# KiCad board unibone.kicad_pcb (continued)
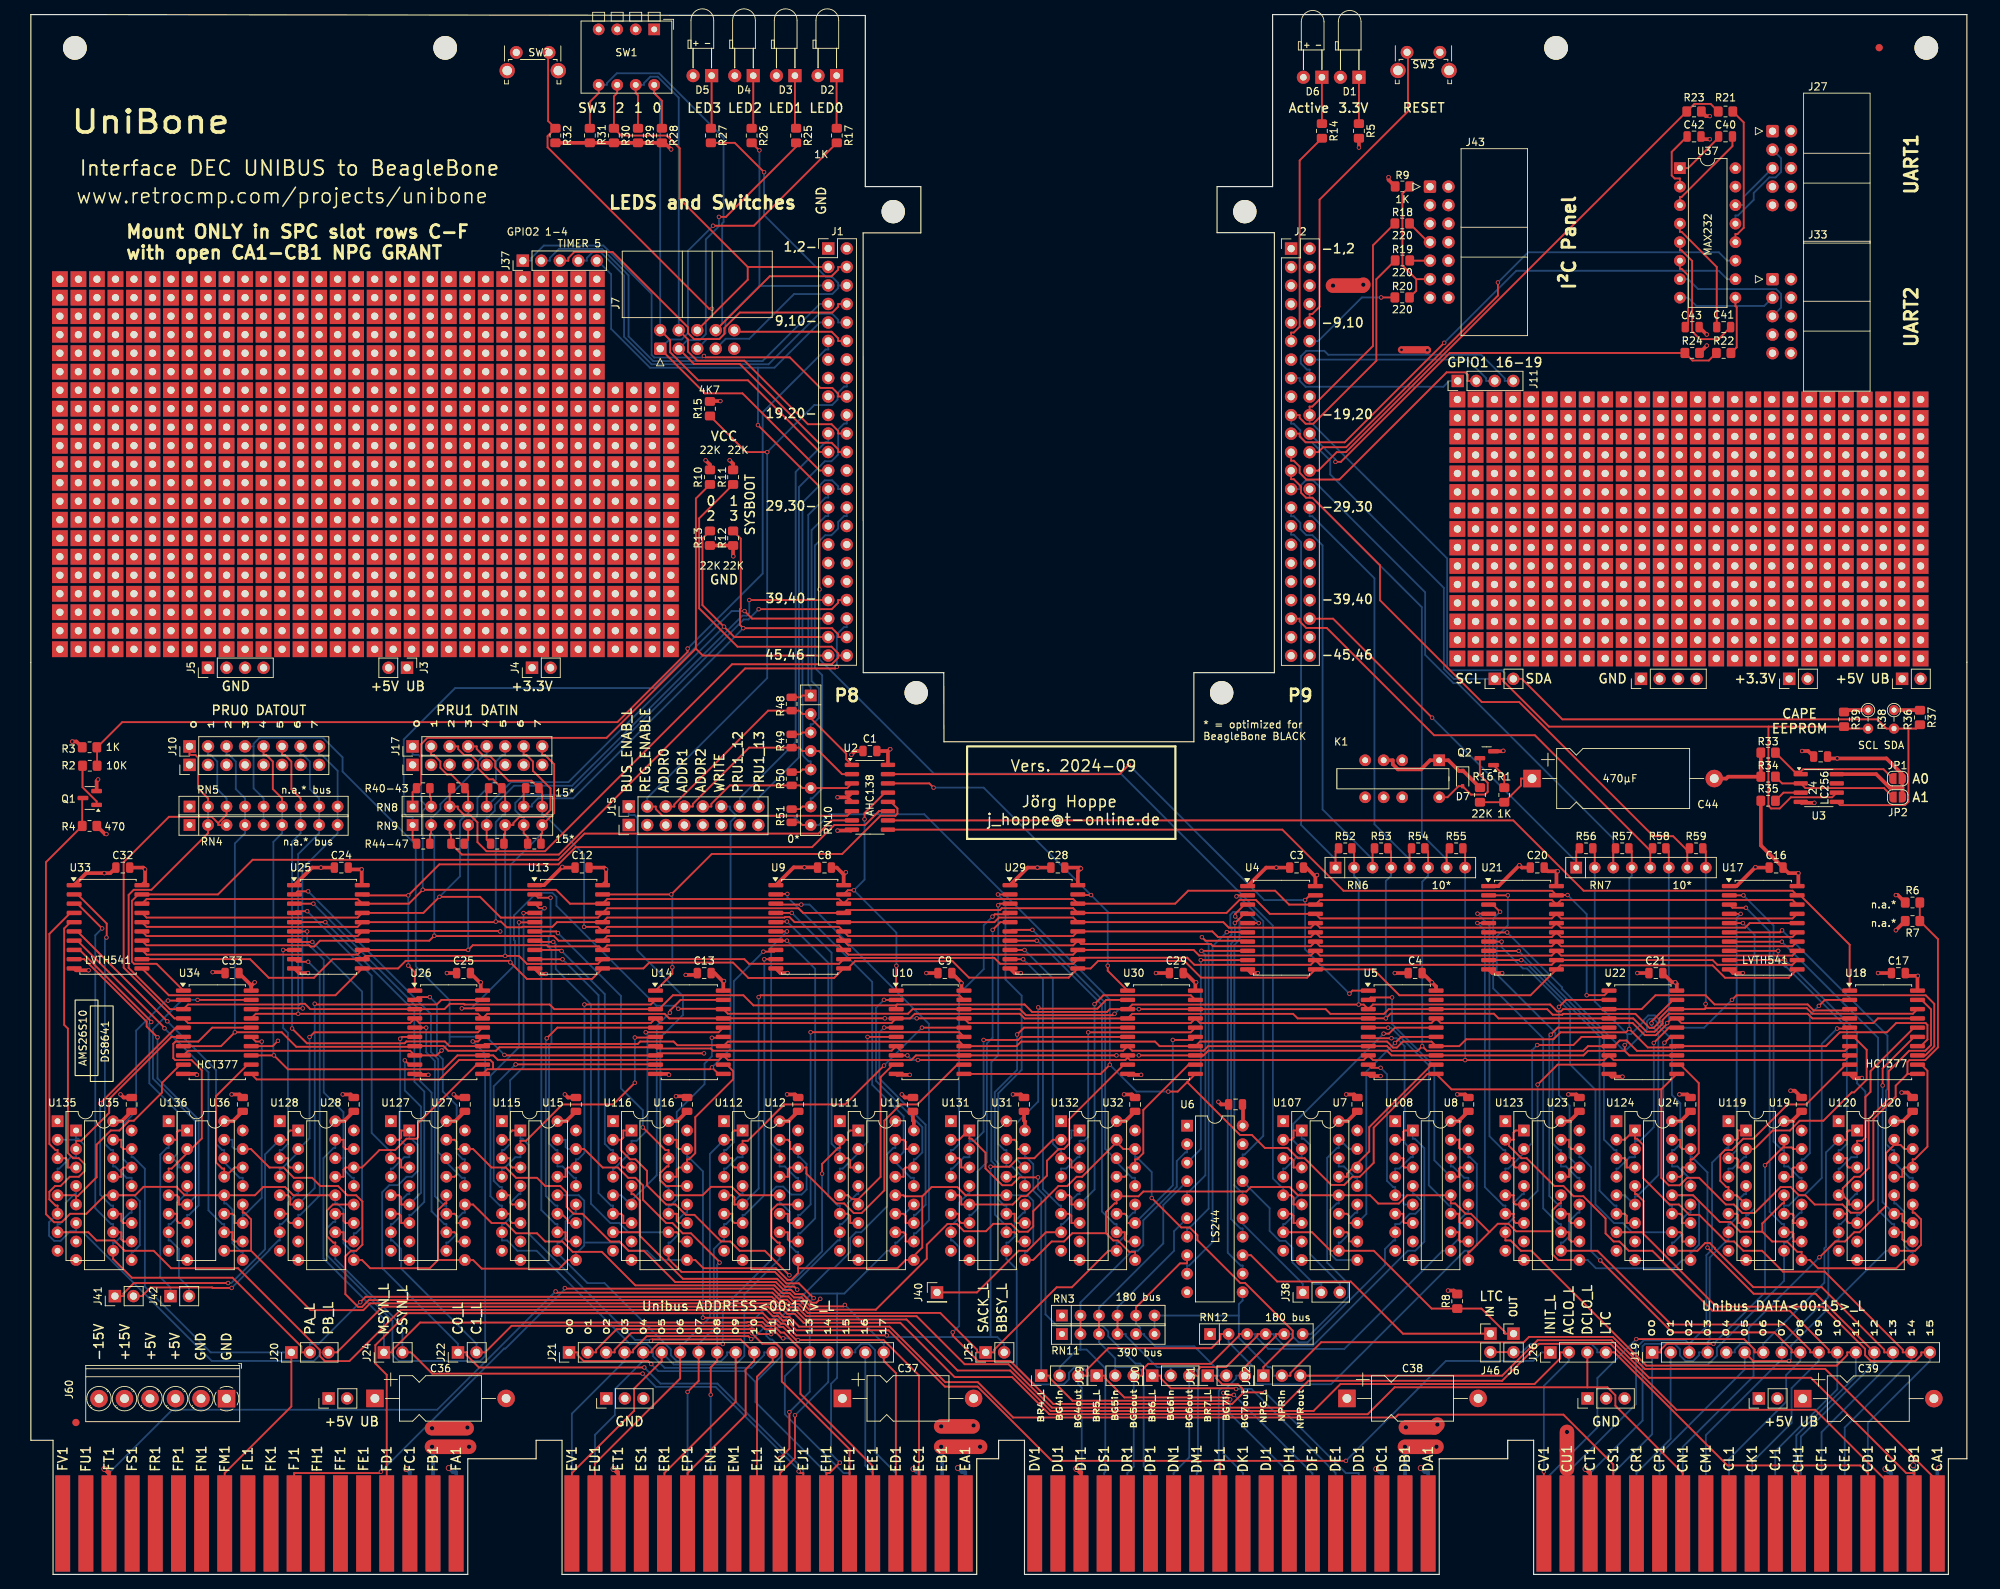
[diagram p0: board, top side]
## Placement (name value [footprint] x y rotation side) (continued)
C10  100nF  [C_0805_2012Metric]  121.02 64.52 270 top
C11  100nF  [C_0805_2012Metric]  105.27 64.52 270 top
C12  100nF  [C_0805_2012Metric]  75.62 97.03 0 top
C13  100nF  [C_0805_2012Metric]  92.38 82.55 0 top
C14  100nF  [C_0805_2012Metric]  74.79 64.52 270 top
C15  100nF  [C_0805_2012Metric]  90.03 64.52 270 top
C16  100nF  [C_0805_2012Metric]  239.44 97.03 0 top
C17  100nF  [C_0805_2012Metric]  256.21 82.55 0 top
C18  100nF  [C_0805_2012Metric]  242.94 64.52 270 top
C19  100nF  [C_0805_2012Metric]  258.18 64.52 270 top
C20  100nF  [C_0805_2012Metric]  206.67 97.03 0 top
C21  100nF  [C_0805_2012Metric]  222.94 82.55 0 top
C22  100nF  [C_0805_2012Metric]  212.46 64.52 270 top
C23  100nF  [C_0805_2012Metric]  227.7 64.52 270 top
C24  100nF  [C_0805_2012Metric]  42.6 97.03 0 top
C25  100nF  [C_0805_2012Metric]  59.36 82.55 0 top
C26  100nF  [C_0805_2012Metric]  59.55 64.52 270 top
C27  100nF  [C_0805_2012Metric]  44.31 64.52 270 top
C28  100nF  [C_0805_2012Metric]  140.89 97.03 0 top
C29  100nF  [C_0805_2012Metric]  157.15 82.55 0 top
C30  100nF  [C_0805_2012Metric]  136.26 64.52 270 top
C31  100nF  [C_0805_2012Metric]  151.5 64.52 270 top
C32  100nF  [C_0805_2012Metric]  12.61 97.03 0 top
C33  100nF  [C_0805_2012Metric]  27.6 82.55 0 top
C34  100nF  [C_0805_2012Metric]  13.83 64.52 270 top
C35  100nF  [C_0805_2012Metric]  29.07 64.52 270 top
C36  6.3uF  [CP_Axial_L11.0mm_D6.0mm_P18.00mm_Horizontal]  47.2 24.16 0 top
C37  6.3uF  [CP_Axial_L11.0mm_D6.0mm_P18.00mm_Horizontal]  111.34 24.16 0 top
C38  6.3uF  [CP_Axial_L11.0mm_D6.0mm_P18.00mm_Horizontal]  180.55 24.16 0 top
C39  6.3uF  [CP_Axial_L11.0mm_D6.0mm_P18.00mm_Horizontal]  243.08 24.13 0 top
C40  1uF  [C_0805_2012Metric]  232.5 197.39 0 top
C41  1uF  [C_0805_2012Metric]  232.24 171.23 0 top
C42  1uF  [C_0805_2012Metric]  228.18 197.39 180 top
C43  1uF  [C_0805_2012Metric]  227.92 171.23 180 top
C44  470uF  [CP_Axial_L18.0mm_D8.0mm_P25.00mm_Horizontal]  205.95 109.25 0 top
D1  PWR  [LED_D3.0mm_Horizontal_O3.81mm_Z2.0mm]  182.2 205.52 180 top
D2  LED0  [LED_D3.0mm_Horizontal_O3.81mm_Z2.0mm]  110.54 205.74 180 top
D3  LED1  [LED_D3.0mm_Horizontal_O3.81mm_Z2.0mm]  104.83 205.74 180 top
D4  LED2  [LED_D3.0mm_Horizontal_O3.81mm_Z2.0mm]  99.11 205.74 180 top
D5  LED3  [LED_D3.0mm_Horizontal_O3.81mm_Z2.0mm]  93.4 205.74 180 top
D6  ONBUS  [LED_D3.0mm_Horizontal_O3.81mm_Z2.0mm]  177.12 205.52 180 top
D7  1N4148WS  [D_SOD-323]  196.43 109.25 270 top
DECHANDLE1  DEC Handle  [DEC-Handle]  31.42 214 0 top
DECHANDLE2  DEC Handle  [DEC-Handle]  234.62 214.12 0 top
F1  -  [Fiducial]  253.58 209.55 0 top
F2  -  [Fiducial]  6.18 20.83 0 top
H1  NPTH  [HOLE-3MM]  6.05 209.55 0 top
H2  NPTH  [HOLE-3MM]  56.85 209.55 0 top
H7  NPTH  [HOLE-3MM]  209.24 209.55 0 top
H8  NPTH  [HOLE-3MM]  260.04 209.55 0 top
HOLE1  -  [MountingHole_3.2mm_M3]  118.31 187.07 0 top
HOLE2  -  [MountingHole_3.2mm_M3]  166.55 187.07 0 top
HOLE3  -  [MountingHole_3.2mm_M3]  121.46 121.03 0 top
HOLE4  -  [MountingHole_3.2mm_M3]  163.37 121.03 0 top
J1  BBB-P8  [PinHeader_2x23_P2.54mm_Vertical]  109.4 182.02 0 top
J2  BBB-P9  [PinHeader_2x23_P2.54mm_Vertical]  172.9 182 0 top
J3  +5V UB  [PinHeader_1x02_P2.54mm_Vertical]  51.61 124.46 270 top
J4  +3.3V  [PinHeader_1x02_P2.54mm_Vertical]  68.76 124.46 90 top
J5  GND  [PinHeader_1x04_P2.54mm_Vertical]  24.31 124.46 90 top
J6  LTC_OUT  [PinHeader_1x02_P2.54mm_Vertical]  203.41 33.05 0 top
J7  Panel  [IDC-Header_2x05_P2.54mm_Horizontal]  86.34 168.25 90 top
J10  REG_DATA_FROM_PRU0  [PinHeader_1x08_P2.54mm_Vertical]  21.77 113.66 90 top
J11  GPIO1_16-19  [PinHeader_1x04_P2.54mm_Vertical]  195.76 163.83 90 top
J13  GND  [PinHeader_1x03_P2.54mm_Vertical]  213.57 24.16 90 top
J14  GND  [PinHeader_1x03_P2.54mm_Vertical]  78.95 24.16 90 top
J15  PRU_CONTROL  [PinHeader_1x08_P2.54mm_Vertical]  82.03 105.41 90 top
J16  CONN-DEC-QUAD-CDEF  [dec-conn-quad-ht-pins-only_CDEF]  265.56 -0.63 0 top
J17  REG_DATA_TO_PRU1  [PinHeader_1x08_P2.54mm_Vertical]  52.37 113.66 90 top
J19  UB_DATA  [PinHeader_1x16_P2.54mm_Vertical]  222.43 30.48 90 top
J20  UB_INTR_PAB  [PinHeader_1x03_P2.54mm_Vertical]  35.74 30.48 90 top
J21  UB_ADDR  [PinHeader_1x18_P2.54mm_Vertical]  73.84 30.48 90 top
J22  UB_C01  [PinHeader_1x02_P2.54mm_Vertical]  58.6 30.48 90 top
J23  GND  [PinHeader_1x08_P2.54mm_Vertical]  21.77 111.12 90 top
J24  UB_MSYN  [PinHeader_1x02_P2.54mm_Vertical]  48.44 30.48 90 top
J25  UB_SKBY  [PinHeader_1x02_P2.54mm_Vertical]  130.99 30.48 90 top
J26  UB_MISC  [PinHeader_1x04_P2.54mm_Vertical]  208.46 30.48 90 top
J27  UART1_RS232_Schneid-Klemm_2x5  [IDC-Header_2x05_P2.54mm_Horizontal]  238.94 198.12 0 top
J28  UB_BRG4  [PinHeader_1x03_P2.54mm_Vertical]  138.61 27.28 90 top
J29  UB_BRG5  [PinHeader_1x03_P2.54mm_Vertical]  146.23 27.28 90 top
J30  UB_BRG6  [PinHeader_1x03_P2.54mm_Vertical]  153.85 27.28 90 top
J31  UB_BRG7  [PinHeader_1x03_P2.54mm_Vertical]  161.47 27.28 90 top
J32  UB_NPRG  [PinHeader_1x03_P2.54mm_Vertical]  169.09 27.28 90 top
J33  UART2_RS232_Schneid-Klemm_2x5  [IDC-Header_2x05_P2.54mm_Horizontal]  238.94 177.8 0 top
J34  +3.3V  [PinHeader_1x02_P2.54mm_Vertical]  241.22 122.94 90 top
J35  +5V UB  [PinHeader_1x02_P2.54mm_Vertical]  256.72 122.94 90 top
J36  GND  [PinHeader_1x04_P2.54mm_Vertical]  220.9 122.94 90 top
J37  GPIO2_1-5  [PinHeader_1x05_P2.54mm_Vertical]  67.49 180.34 90 top
J38  -  [PinHeader_1x03_P2.54mm_Vertical]  174.5 38.71 90 top
J40  Conn_01x01  [PinHeader_1x01_P2.54mm_Vertical]  124.32 38.71 0 top
J41  Conn_01x02_Male  [PinHeader_1x02_P2.54mm_Vertical]  11.54 38.21 90 top
J42  Conn_01x02_Male  [PinHeader_1x02_P2.54mm_Vertical]  19.16 38.21 90 top
J43  Panel_I2C  [IDC-Header_2x07_P2.54mm_Horizontal]  191.95 190.5 0 top
J46  LTC_IN  [PinHeader_1x02_P2.54mm_Vertical]  200.24 33.05 0 top
J56  GND  [PinHeader_1x08_P2.54mm_Vertical]  52.37 111.12 90 top
J57  GND  [PinHeader_1x08_P2.54mm_Vertical]  82.03 102.87 90 top
J59  I2C2  [PinHeader_1x02_P2.54mm_Vertical]  200.84 122.94 90 top
J60  Reichelt AKL 059-6  [TerminalBlock_Phoenix_PT-1,5-6-3.5-H_1x06_P3.50mm_Horizontal]  26.85 24.13 180 top
J61  Conn_01x02_Male  [PinHeader_1x02_P2.54mm_Vertical]  40.85 24.16 90 top
J62  Conn_01x02_Male  [PinHeader_1x02_P2.54mm_Vertical]  237.07 24.16 90 top
JP1  A0  [SolderJumper-2_P1.3mm_Open_RoundedPad1.0x1.5mm]  256.1 109.25 0 top
JP2  A1  [SolderJumper-2_P1.3mm_Open_RoundedPad1.0x1.5mm]  256.12 106.71 0 top
K1  HFD3  [HFD3-relay]  193.22 111.76 270 top
Q1  MMBT3904  [SOT-23]  8.09 106.58 180 top
Q2  MMBT3904  [SOT-23]  199.73 112.04 180 top
R1  1K  [R_0805_2012Metric_Pad1.20x1.40mm_HandSolder]  202.14 107 90 top
R2  10K  [R_0805_2012Metric_Pad1.20x1.40mm_HandSolder]  8.09 111.01 0 top
R3  1K  [R_0805_2012Metric_Pad1.20x1.40mm_HandSolder]  8.05 113.54 0 top
R4  470  [R_0805_2012Metric_Pad1.20x1.40mm_HandSolder]  8.05 102.74 180 top
R5  1K  [R_0805_2012Metric_Pad1.20x1.40mm_HandSolder]  182.2 198.15 270 top
R6  none  [R_0805_2012Metric_Pad1.20x1.40mm_HandSolder]  258.15 92.23 0 top
R7  none  [R_0805_2012Metric_Pad1.20x1.40mm_HandSolder]  258.15 89.69 180 top
R8  1K  [R_0805_2012Metric_Pad1.20x1.40mm_HandSolder]  195.69 37.5 270 top
R9  1K  [R_0805_2012Metric_Pad1.20x1.40mm_HandSolder]  188.17 190.53 180 top
R10  22K  [R_0805_2012Metric_Pad1.20x1.40mm_HandSolder]  93.17 150.62 270 top
R11  22K  [R_0805_2012Metric_Pad1.20x1.40mm_HandSolder]  96.34 150.62 270 top
R12  22K  [R_0805_2012Metric_Pad1.20x1.40mm_HandSolder]  96.34 142.24 270 top
R13  22K  [R_0805_2012Metric_Pad1.20x1.40mm_HandSolder]  93.17 142.24 270 top
R14  1K  [R_0805_2012Metric_Pad1.20x1.40mm_HandSolder]  177.12 198.15 270 top
R15  4K7  [R_0805_2012Metric_Pad1.20x1.40mm_HandSolder]  93.17 160.02 90 top
R16  22K  [R_0805_2012Metric_Pad1.20x1.40mm_HandSolder]  198.81 107 90 top
R17  1K  [R_0805_2012Metric_Pad1.20x1.40mm_HandSolder]  110.58 197.51 270 top
R18  220  [R_0805_2012Metric_Pad1.20x1.40mm_HandSolder]  188.14 185.45 0 top
R19  220  [R_0805_2012Metric_Pad1.20x1.40mm_HandSolder]  188.17 180.37 0 top
R20  220  [R_0805_2012Metric_Pad1.20x1.40mm_HandSolder]  188.14 175.29 0 top
R21  2K2  [R_0805_2012Metric_Pad1.20x1.40mm_HandSolder]  232.5 200.82 180 top
R22  2K2  [R_0805_2012Metric_Pad1.20x1.40mm_HandSolder]  232.24 167.67 180 top
R23  3K3  [R_0805_2012Metric_Pad1.20x1.40mm_HandSolder]  228.18 200.82 180 top
R24  3K3  [R_0805_2012Metric_Pad1.20x1.40mm_HandSolder]  227.92 167.67 180 top
R25  1K  [R_0805_2012Metric_Pad1.20x1.40mm_HandSolder]  104.99 197.51 270 top
R26  1K  [R_0805_2012Metric_Pad1.20x1.40mm_HandSolder]  98.89 197.51 270 top
R27  1K  [R_0805_2012Metric_Pad1.20x1.40mm_HandSolder]  93.3 197.51 270 top
R28  1K  [R_0805_2012Metric_Pad1.20x1.40mm_HandSolder]  86.57 197.51 270 top
R29  1K  [R_0805_2012Metric_Pad1.20x1.40mm_HandSolder]  83.3 197.51 270 top
R30  1K  [R_0805_2012Metric_Pad1.20x1.40mm_HandSolder]  79.99 197.51 270 top
R31  1K  [R_0805_2012Metric_Pad1.20x1.40mm_HandSolder]  76.69 197.51 270 top
R32  1K  [R_0805_2012Metric_Pad1.20x1.40mm_HandSolder]  71.97 197.51 270 top
R33  10K  [R_0805_2012Metric_Pad1.20x1.40mm_HandSolder]  238.34 112.81 180 top
R34  10K  [R_0805_2012Metric_Pad1.20x1.40mm_HandSolder]  238.34 109.5 180 top
R35  10K  [R_0805_2012Metric_Pad1.20x1.40mm_HandSolder]  238.34 106.2 0 top
R36  opt.  [R_Axial_DIN0204_L3.6mm_D1.6mm_P2.54mm_Vertical]  255.61 118.65 270 top
R37  10K  [R_0805_2012Metric_Pad1.20x1.40mm_HandSolder]  259.17 117.63 270 top
R38  opt.  [R_Axial_DIN0204_L3.6mm_D1.6mm_P2.54mm_Vertical]  252.05 118.65 270 top
R39  10K  [R_0805_2012Metric_Pad1.20x1.40mm_HandSolder]  248.75 117.38 270 top
R40  15  [R_0805_2012Metric]  53.83 107.93 0 top
R41  15  [R_0805_2012Metric]  58.63 107.93 0 top
R42  15  [R_0805_2012Metric]  63.71 107.93 0 top
R43  15  [R_0805_2012Metric]  68.79 107.93 0 top
R44  15  [R_0805_2012Metric]  53.83 100.31 0 top
R45  15  [R_0805_2012Metric]  58.55 100.31 0 top
R46  15  [R_0805_2012Metric]  63.99 100.31 0 top
R47  15  [R_0805_2012Metric]  69.07 100.31 0 top
R48  0  [R_0805_2012Metric]  104.38 119.49 270 top
R49  0  [R_0805_2012Metric]  104.38 114.41 270 top
R50  0  [R_0805_2012Metric]  104.38 109.22 270 top
R51  0  [R_0805_2012Metric]  104.38 104.14 270 top
R52  10  [R_0805_2012Metric]  180.32 99.67 0 top
R53  10  [R_0805_2012Metric]  185.25 99.67 0 top
R54  10  [R_0805_2012Metric]  190.33 99.67 0 top
R55  10  [R_0805_2012Metric]  195.54 99.67 0 top
R56  10  [R_0805_2012Metric]  213.37 99.67 0 top
R57  10  [R_0805_2012Metric]  218.32 99.67 0 top
R58  10  [R_0805_2012Metric]  223.4 99.67 0 top
R59  10  [R_0805_2012Metric]  228.46 99.67 0 top
RN3  180  [R_Array_SIP6]  141.46 35.54 0 top
RN4  n.a.  [R_Array_SIP9]  21.77 102.87 0 top
RN5  n.a.  [R_Array_SIP9]  21.77 105.41 0 top
RN6  10  [R_Array_SIP8]  178.99 97.03 0 top
RN7  10  [R_Array_SIP8]  212.01 97.03 0 top
RN8  15  [R_Array_SIP8]  52.37 105.41 0 top
RN9  15  [R_Array_SIP8]  52.37 102.87 0 top
RN10  0  [R_Array_SIP8]  106.98 120.65 270 top
RN11  390  [R_Array_SIP6]  141.46 33 0 top
RN12  180  [R_Array_SIP6]  161.78 33 0 top
SW1  SW0-3  [SW_DIP_SPSTx04_Piano_CTS_Series194-4MSTN_W7.62mm_P2.54mm]  85.52 212.09 270 top
SW2  BTN  [SW_Tactile_SPST_Angled_PTS645Vx58-2LFS]  66.6 208.92 0 top
SW3  BTN  [SW_Tactile_SPST_Angled_PTS645Vx58-2LFS]  188.81 208.94 0 top
U2  74AHC138  [SOIC-16_3.9x9.9mm_P1.27mm]  115.11 106.68 0 top
U3  24LC256  [SOIC-8_3.9x4.9mm_P1.27mm]  245.29 107.95 0 top
U4  74LVTH541_PWR  [SOIC-20W_7.5x12.8mm_P1.27mm]  171.58 88.77 0 top
U5  74HCT377  [SOIC-20W_7.5x12.8mm_P1.27mm]  188.14 74.42 0 top
U6  74LS244_5V  [DIP-20_W7.62mm]  158.63 61.6 0 top
U7  DS8641-LR  [DIP-16_W7.62mm]  174.36 60.94 0 top
U8  DS8641-LR  [DIP-16_W7.62mm]  189.6 60.94 0 top
U9  74LVTH541_PWR  [SOIC-20W_7.5x12.8mm_P1.27mm]  106.86 88.9 0 top
U10  74HCT377  [SOIC-20W_7.5x12.8mm_P1.27mm]  123.37 74.42 0 top
U11  DS8641-LR  [DIP-16_W7.62mm]  113.52 60.94 0 top
U12  DS8641-LR  [DIP-16_W7.62mm]  97.65 60.94 0 top
U13  74LVTH541_PWR  [SOIC-20W_7.5x12.8mm_P1.27mm]  73.79 88.9 0 top
U14  74HCT377  [SOIC-20W_7.5x12.8mm_P1.27mm]  90.35 74.42 0 top
U15  DS8641-LR  [DIP-16_W7.62mm]  67.17 60.94 0 top
U16  DS8641-LR  [DIP-16_W7.62mm]  82.41 60.94 0 top
U17  74LVTH541_PWR  [SOIC-20W_7.5x12.8mm_P1.27mm]  237.67 88.77 0 top
U18  74HCT377  [SOIC-20W_7.5x12.8mm_P1.27mm]  254.18 74.42 0 top
U19  DS8641-LR  [DIP-16_W7.62mm]  235.32 60.94 0 top
U20  DS8641-LR  [DIP-16_W7.62mm]  250.56 60.94 0 top
U21  74LVTH541_PWR  [SOIC-20W_7.5x12.8mm_P1.27mm]  204.65 88.77 0 top
U22  74HCT377  [SOIC-20W_7.5x12.8mm_P1.27mm]  221.16 74.42 0 top
U23  DS8641-LR  [DIP-16_W7.62mm]  204.84 60.94 0 top
U24  DS8641-LR  [DIP-16_W7.62mm]  220.08 60.94 0 top
U25  74LVTH541_PWR  [SOIC-20W_7.5x12.8mm_P1.27mm]  40.82 88.9 0 top
U26  74HCT377  [SOIC-20W_7.5x12.8mm_P1.27mm]  57.33 74.42 0 top
U27  DS8641-LR  [DIP-16_W7.62mm]  51.93 60.94 0 top
U28  DS8641-LR  [DIP-16_W7.62mm]  36.69 60.94 0 top
U29  74LVTH541_PWR  [SOIC-20W_7.5x12.8mm_P1.27mm]  138.99 88.9 0 top
U30  74HCT377  [SOIC-20W_7.5x12.8mm_P1.27mm]  155.12 74.42 0 top
U31  DS8641-LR  [DIP-16_W7.62mm]  128.76 60.94 0 top
U32  DS8641-LR  [DIP-16_W7.62mm]  143.88 60.94 0 top
U33  74LVTH541_PWR  [SOIC-20W_7.5x12.8mm_P1.27mm]  10.59 88.9 0 top
U34  74HCT377  [SOIC-20W_7.5x12.8mm_P1.27mm]  25.58 74.42 0 top
U35  DS8641-LR  [DIP-16_W7.62mm]  6.21 60.94 0 top
U36  DS8641-LR  [DIP-16_W7.62mm]  21.45 60.94 0 top
U37  MAX232  [DIP-16_W7.62mm]  226.24 193.04 0 top
U107  AM26S10  [DIP-16_W7.62mm]  171.82 62.21 0 top
U108  AM26S10  [DIP-16_W7.62mm]  187.18 62.21 0 top
U111  AM26S10  [DIP-16_W7.62mm]  110.98 62.21 0 top
U112  AM26S10  [DIP-16_W7.62mm]  95.11 62.21 0 top
U115  AM26S10  [DIP-16_W7.62mm]  64.63 62.21 0 top
U116  AM26S10  [DIP-16_W7.62mm]  79.87 62.21 0 top
U119  AM26S10  [DIP-16_W7.62mm]  232.9 62.21 0 top
U120  AM26S10  [DIP-16_W7.62mm]  248.02 62.21 0 top
U123  AM26S10  [DIP-16_W7.62mm]  202.3 62.21 0 top
U124  AM26S10  [DIP-16_W7.62mm]  217.54 62.21 0 top
U127  AM26S10  [DIP-16_W7.62mm]  49.39 62.21 0 top
U128  AM26S10  [DIP-16_W7.62mm]  34.15 62.21 0 top
U131  AM26S10  [DIP-16_W7.62mm]  126.22 62.21 0 top
U132  AM26S10  [DIP-16_W7.62mm]  141.34 62.21 0 top
U135  AM26S10  [DIP-16_W7.62mm]  3.67 62.21 0 top
U136  AM26S10  [DIP-16_W7.62mm]  18.91 62.21 0 top

## Library data of the parts
C1-C35 = -: Description: Unpolarized capacitor, small symbol; LCSC: C49678; ki_fp_filters: C_*
C36-C39 = -: Description: Polarized capacitor; ki_fp_filters: CP_*
C40-C43 = -: Description: Unpolarized capacitor, small symbol; LCSC: C28323; ki_fp_filters: C_*
C44 = -: Description: Polarized capacitor; LCSC: C17513; ki_fp_filters: CP_*
D1-D6 = -: Description: Light emitting diode; ki_fp_filters: LED* LED_SMD:* LED_THT:*
D7 = -: Description: Diode; LCSC: C2128; Sim.Device: D; Sim.Pins: 1=K 2=A; ki_fp_filters: TO-???* *_Diode_* *SingleDiode* D_*
F1 F2 = -: Description: Generic connector, single row, 01x01, script generated (kicad-library-utils/schlib/autogen/connector/); ki_fp_filters: Connector*:*_1x??_*
J1 J2 = -: Description: Generic connector, double row, 02x23, odd/even pin numbering scheme (row 1 odd numbers, row 2 even numbers), script generated (kicad-library-utils/schlib/autogen/connector/); ki_fp_filters: Connector*:*_2x??_*
J3 J4 J6 J22 J24 J25 J34 J35 J41 J42 J46 J59 J61 J62 = -: Description: Generic connector, single row, 01x02, script generated; ki_fp_filters: Connector*:*_1x??_*
J5 J11 J26 J36 = -: Description: Generic connector, single row, 01x04, script generated; ki_fp_filters: Connector*:*_1x??_*
J7 = -: ki_fp_filters: Connector*:*_2x??_*
J10 J15 J17 J23 J56 J57 = -: Description: Generic connector, single row, 01x08, script generated; ki_fp_filters: Connector*:*_1x??_*
J13 J14 J20 J28-J32 J38 = -: Description: Generic connector, single row, 01x03, script generated; ki_fp_filters: Connector*:*_1x??_*
J16 = -: ki_fp_filters: dec-conn-*
J19 = -: Description: Generic connector, single row, 01x16, script generated; ki_fp_filters: Connector*:*_1x??_*
J21 = -: Description: Generic connector, single row, 01x18, script generated; ki_fp_filters: Connector*:*_1x??_*
J27 J33 = -: Description: Generic connector, double row, 02x05, odd/even pin numbering scheme (row 1 odd numbers, row 2 even numbers); ki_fp_filters: Connector*:*2x??x*mm* Connector*:*2x???Pitch* Pin_Header_Straight_2X* Pin_Header_Angled_2X* Socket_Strip_Straight_2X* Socket_Strip_Angled_2X*
J37 = -: Description: Generic connector, single row, 01x05, script generated; ki_fp_filters: Connector*:*_1x??_*
J40 = -: Description: Generic connector, single row, 01x01, script generated; ki_fp_filters: Connector*:*_1x??_*
J43 = -: Description: Generic connector, double row, 02x07, odd/even pin numbering scheme (row 1 odd numbers, row 2 even numbers), script generated (kicad-library-utils/schlib/autogen/connector/); ki_fp_filters: Connector*:*_2x??_*
J60 = -: Description: Generic connector, single row, 01x06, script generated (kicad-library-utils/schlib/autogen/connector/); ki_fp_filters: Connector*:*_1x??_*
JP1 JP2 = -: Description: Solder Jumper, 2-pole, open; ki_fp_filters: SolderJumper*Open*
K1 = -: ki_fp_filters: Relay*DPDT*FRT5*
Q1 Q2 = -: Datasheet: https://www.onsemi.com/pdf/datasheet/pzt3904-d.pdf; Description: 0.2A Ic, 40V Vce, Small Signal NPN Transistor, SOT-23; LCSC: C20526; ki_fp_filters: SOT?23*
R1 R3 R5 R8 R9 R14 R17 R25-R32 = -: Description: Resistor; LCSC: C17513; ki_fp_filters: R_*
R2 R33-R35 R37 R39 = -: Description: Resistor; LCSC: C17414; ki_fp_filters: R_*
R4 = -: Description: Resistor; LCSC: C17710; ki_fp_filters: R_*
R6 R7 R36 R38 = -: Description: Resistor; ki_fp_filters: R_*
R10-R13 R16 = -: Description: Resistor; LCSC: C17560; ki_fp_filters: R_*
R15 = -: Description: Resistor; LCSC: C17673; ki_fp_filters: R_*
R18-R20 = -: Description: Resistor; LCSC: C17557; ki_fp_filters: R_*
R21 R22 = -: Description: Resistor; LCSC: C17520; ki_fp_filters: R_*
R23 R24 = -: Description: Resistor; LCSC: C26010; ki_fp_filters: R_*
R40-R47 = -: Description: Resistor; LCSC: C17480; ki_fp_filters: R_*
R48-R51 = -: Description: Resistor; LCSC: C17477; ki_fp_filters: R_*
R52-R59 = -: Description: Resistor; LCSC: C17415; ki_fp_filters: R_*
RN3 RN11 RN12 = -: Datasheet: http://www.vishay.com/docs/31509/csc.pdf; Description: 5 resistor network, star topology, bussed resistors, small US symbol; ki_fp_filters: R?Array?SIP*
RN4 RN5 = -: Datasheet: http://www.vishay.com/docs/31509/csc.pdf; Description: 8 resistor network, star topology, bussed resistors, small symbol; ki_fp_filters: R?Array?SIP*
RN6-RN10 = -: Description: 4 Resistor network, parallel topology, DIP package; ki_fp_filters: DIP* SOIC*
SW1 = -: Description: 4x DIP Switch, Single Pole Single Throw (SPST) switch, small symbol; ki_fp_filters: SW?DIP?x4*
SW2 SW3 = -: Description: Push button switch, generic, two pins
U2 = -: Description: Decoder 3 to 8 (active low outputs); LCSC: C132055
U3 = -: Datasheet: http://ww1.microchip.com/downloads/en/devicedoc/21203m.pdf; Description: I2C Serial EEPROM, 256Kb, DIP-8/SOIC-8/TSSOP-8/DFN-8; LCSC: C5458; ki_fp_filters: DIP*W7.62mm* SOIC*3.9x4.9mm* TSSOP*4.4x3mm*P0.65mm* DFN*3x2mm*P0.5mm*
U4 U9 U13 U17 U21 U25 U29 U33 = -: Description: 8bits Buffer/Line Driver 3 state Out; LCSC: C1548542
U5 U10 U14 U18 U22 U26 U30 U34 = -: Description: 8 bit Register; LCSC: C547627
U6 = -: Description: 8 bits Bus Buffer 3 State out
U37 = -: Datasheet: http://www.ti.com/lit/ds/symlink/max232.pdf; Description: Dual RS232 driver/receiver, 5V supply, 120kb/s, 0C-70C; ki_fp_filters: SOIC*P1.27mm* DIP*W7.62mm* TSSOP*4.4x5mm*P0.65mm*

## Footprints (pads in the part's own frame, mm; a bottom-side part is the same pattern mirrored in y, then rotated)
C_0805_2012Metric
  rrect 1x1.45 smd: 1(-0.95,0) 2(0.95,0)
CP_Axial_L11.0mm_D6.0mm_P18.00mm_Horizontal
  rect 2.4x2.4 hole 1.2: 1(0,0)
  oval 2.4x2.4 hole 1.2: 2(18,0)
CP_Axial_L18.0mm_D8.0mm_P25.00mm_Horizontal
  rect 2.4x2.4 hole 1.2: 1(0,0)
  oval 2.4x2.4 hole 1.2: 2(25,0)
D_SOD-323
  rrect 0.6x0.45 smd: 1(-1.05,0) 2(1.05,0)
dec-conn-quad-ht-pins-only_CDEF
  rect 2.032x13.208 smd: CA1(-4.013,13.462) CB1(-7.188,13.462) CC1(-10.363,13.462) CD1(-13.538,13.462) CE1(-16.713,13.462) CF1(-19.888,13.462) CH1(-23.063,13.462) CJ1(-26.238,13.462) CK1(-29.413,13.462) CL1(-32.588,13.462) CM1(-35.763,13.462) CN1(-38.938,13.462) CP1(-42.113,13.462) CR1(-45.288,13.462) CS1(-48.463,13.462) CT1(-51.638,13.462) CU1(-54.813,13.462) CV1(-57.988,13.462) DA1(-73.863,13.462) DB1(-77.038,13.462) DC1(-80.213,13.462) DD1(-83.388,13.462) DE1(-86.563,13.462) DF1(-89.738,13.462) DH1(-92.913,13.462) DJ1(-96.088,13.462) DK1(-99.263,13.462) DL1(-102.438,13.462) DM1(-105.613,13.462) DN1(-108.788,13.462) DP1(-111.963,13.462) DR1(-115.138,13.462) DS1(-118.313,13.462) DT1(-121.488,13.462) DU1(-124.663,13.462) DV1(-127.838,13.462) EA1(-137.363,13.462) EB1(-140.538,13.462) EC1(-143.713,13.462) ED1(-146.888,13.462) EE1(-150.063,13.462) EF1(-153.238,13.462) EH1(-156.413,13.462) EJ1(-159.588,13.462) EK1(-162.763,13.462) EL1(-165.938,13.462) EM1(-169.113,13.462) EN1(-172.288,13.462) EP1(-175.463,13.462) ER1(-178.638,13.462) ES1(-181.813,13.462) ET1(-184.988,13.462) EU1(-188.163,13.462) EV1(-191.338,13.462) FA1(-207.213,13.462) FB1(-210.388,13.462) FC1(-213.563,13.462) FD1(-216.738,13.462) FE1(-219.913,13.462) FF1(-223.088,13.462) FH1(-226.263,13.462) FJ1(-229.438,13.462) FK1(-232.613,13.462) FL1(-235.788,13.462) FM1(-238.963,13.462) FN1(-242.138,13.462) FP1(-245.313,13.462) FR1(-248.488,13.462) FS1(-251.663,13.462) FT1(-254.838,13.462) FU1(-258.013,13.462) FV1(-261.188,13.462)
  rect 2.032x13.208 smd far side: CA2(-4.013,13.462) CB2(-7.188,13.462) CC2(-10.363,13.462) CD2(-13.538,13.462) CE2(-16.713,13.462) CF2(-19.888,13.462) CH2(-23.063,13.462) CJ2(-26.238,13.462) CK2(-29.413,13.462) CL2(-32.588,13.462) CM2(-35.763,13.462) CN2(-38.938,13.462) CP2(-42.113,13.462) CR2(-45.288,13.462) CS2(-48.463,13.462) CT2(-51.638,13.462) CU2(-54.813,13.462) CV2(-57.988,13.462) DA2(-73.863,13.462) DB2(-77.038,13.462) DC2(-80.213,13.462) DD2(-83.388,13.462) DE2(-86.563,13.462) DF2(-89.738,13.462) DH2(-92.913,13.462) DJ2(-96.088,13.462) DK2(-99.263,13.462) DL2(-102.438,13.462) DM2(-105.613,13.462) DN2(-108.788,13.462) DP2(-111.963,13.462) DR2(-115.138,13.462) DS2(-118.313,13.462) DT2(-121.488,13.462) DU2(-124.663,13.462) DV2(-127.838,13.462) EA2(-137.363,13.462) EB2(-140.538,13.462) EC2(-143.713,13.462) ED2(-146.888,13.462) EE2(-150.063,13.462) EF2(-153.238,13.462) EH2(-156.413,13.462) EJ2(-159.588,13.462) EK2(-162.763,13.462) EL2(-165.938,13.462) EM2(-169.113,13.462) EN2(-172.288,13.462) EP2(-175.463,13.462) ER2(-178.638,13.462) ES2(-181.813,13.462) ET2(-184.988,13.462) EU2(-188.163,13.462) EV2(-191.338,13.462) FA2(-207.213,13.462) FB2(-210.388,13.462) FC2(-213.563,13.462) FD2(-216.738,13.462) FE2(-219.913,13.462) FF2(-223.088,13.462) FH2(-226.263,13.462) FJ2(-229.438,13.462) FK2(-232.613,13.462) FL2(-235.788,13.462) FM2(-238.963,13.462) FN2(-242.138,13.462) FP2(-245.313,13.462) FR2(-248.488,13.462) FS2(-251.663,13.462) FT2(-254.838,13.462) FU2(-258.013,13.462) FV2(-261.188,13.462)
DIP-16_W7.62mm
  rect 1.6x1.6 hole 0.8: 1(0,0)
  oval 1.6x1.6 hole 0.8: 2(0,-2.54) 3(0,-5.08) 4(0,-7.62) 5(0,-10.16) 6(0,-12.7) 7(0,-15.24) 8(0,-17.78) 9(7.62,-17.78) 10(7.62,-15.24) 11(7.62,-12.7) 12(7.62,-10.16) 13(7.62,-7.62) 14(7.62,-5.08) 15(7.62,-2.54) 16(7.62,0)
DIP-20_W7.62mm
  rect 1.6x1.6 hole 0.8: 1(0,0)
  oval 1.6x1.6 hole 0.8: 2(0,-2.54) 3(0,-5.08) 4(0,-7.62) 5(0,-10.16) 6(0,-12.7) 7(0,-15.24) 8(0,-17.78) 9(0,-20.32) 10(0,-22.86) 11(7.62,-22.86) 12(7.62,-20.32) 13(7.62,-17.78) 14(7.62,-15.24) 15(7.62,-12.7) 16(7.62,-10.16) 17(7.62,-7.62) 18(7.62,-5.08) 19(7.62,-2.54) 20(7.62,0)
Fiducial
  round 1 smd: 1(0,0.025)
HFD3-relay
  rect 1.6x1.6 hole 0.8: 1(0,0)
  oval 1.6x1.6 hole 0.8: 3(0,-5.08) 4(0,-7.62) 5(0,-10.16) 8(5.08,-10.16) 9(5.08,-7.62) 10(5.08,-5.08) 12(5.08,0)
HOLE-3MM
  round 3.251 hole 3.251 unplated: (0,0)
IDC-Header_2x05_P2.54mm_Horizontal
  rrect 1.7x1.7 hole 1: 1(0,0)
  round 1.7 hole 1: 2(2.54,0) 3(0,-2.54) 4(2.54,-2.54) 5(0,-5.08) 6(2.54,-5.08) 7(0,-7.62) 8(2.54,-7.62) 9(0,-10.16) 10(2.54,-10.16)
IDC-Header_2x07_P2.54mm_Horizontal
  rrect 1.7x1.7 hole 1: 1(0,0)
  round 1.7 hole 1: 2(2.54,0) 3(0,-2.54) 4(2.54,-2.54) 5(0,-5.08) 6(2.54,-5.08) 7(0,-7.62) 8(2.54,-7.62) 9(0,-10.16) 10(2.54,-10.16) 11(0,-12.7) 12(2.54,-12.7) 13(0,-15.24) 14(2.54,-15.24)
LED_D3.0mm_Horizontal_O3.81mm_Z2.0mm
  rect 1.8x1.8 hole 0.9: 1(0,0)
  round 1.8 hole 0.9: 2(2.54,0)
Lochraster_Square_breit
  rect 2.159x2.159 hole 1: (0,0)
MountingHole_3.2mm_M3
  round 3.2 hole 3.2 unplated: (0,0)
PinHeader_1x01_P2.54mm_Vertical
  rect 1.7x1.7 hole 1: 1(0,0)
PinHeader_1x02_P2.54mm_Vertical
  rect 1.7x1.7 hole 1: 1(0,0)
  oval 1.7x1.7 hole 1: 2(0,-2.54)
PinHeader_1x03_P2.54mm_Vertical
  rect 1.7x1.7 hole 1: 1(0,0)
  oval 1.7x1.7 hole 1: 2(0,-2.54) 3(0,-5.08)
PinHeader_1x04_P2.54mm_Vertical
  rect 1.7x1.7 hole 1: 1(0,0)
  oval 1.7x1.7 hole 1: 2(0,-2.54) 3(0,-5.08) 4(0,-7.62)
PinHeader_1x05_P2.54mm_Vertical
  rect 1.7x1.7 hole 1: 1(0,0)
  oval 1.7x1.7 hole 1: 2(0,-2.54) 3(0,-5.08) 4(0,-7.62) 5(0,-10.16)
